# Altium PCB FIT_TDC_ADC.PcbDoc (part 4 of 10) (continued)
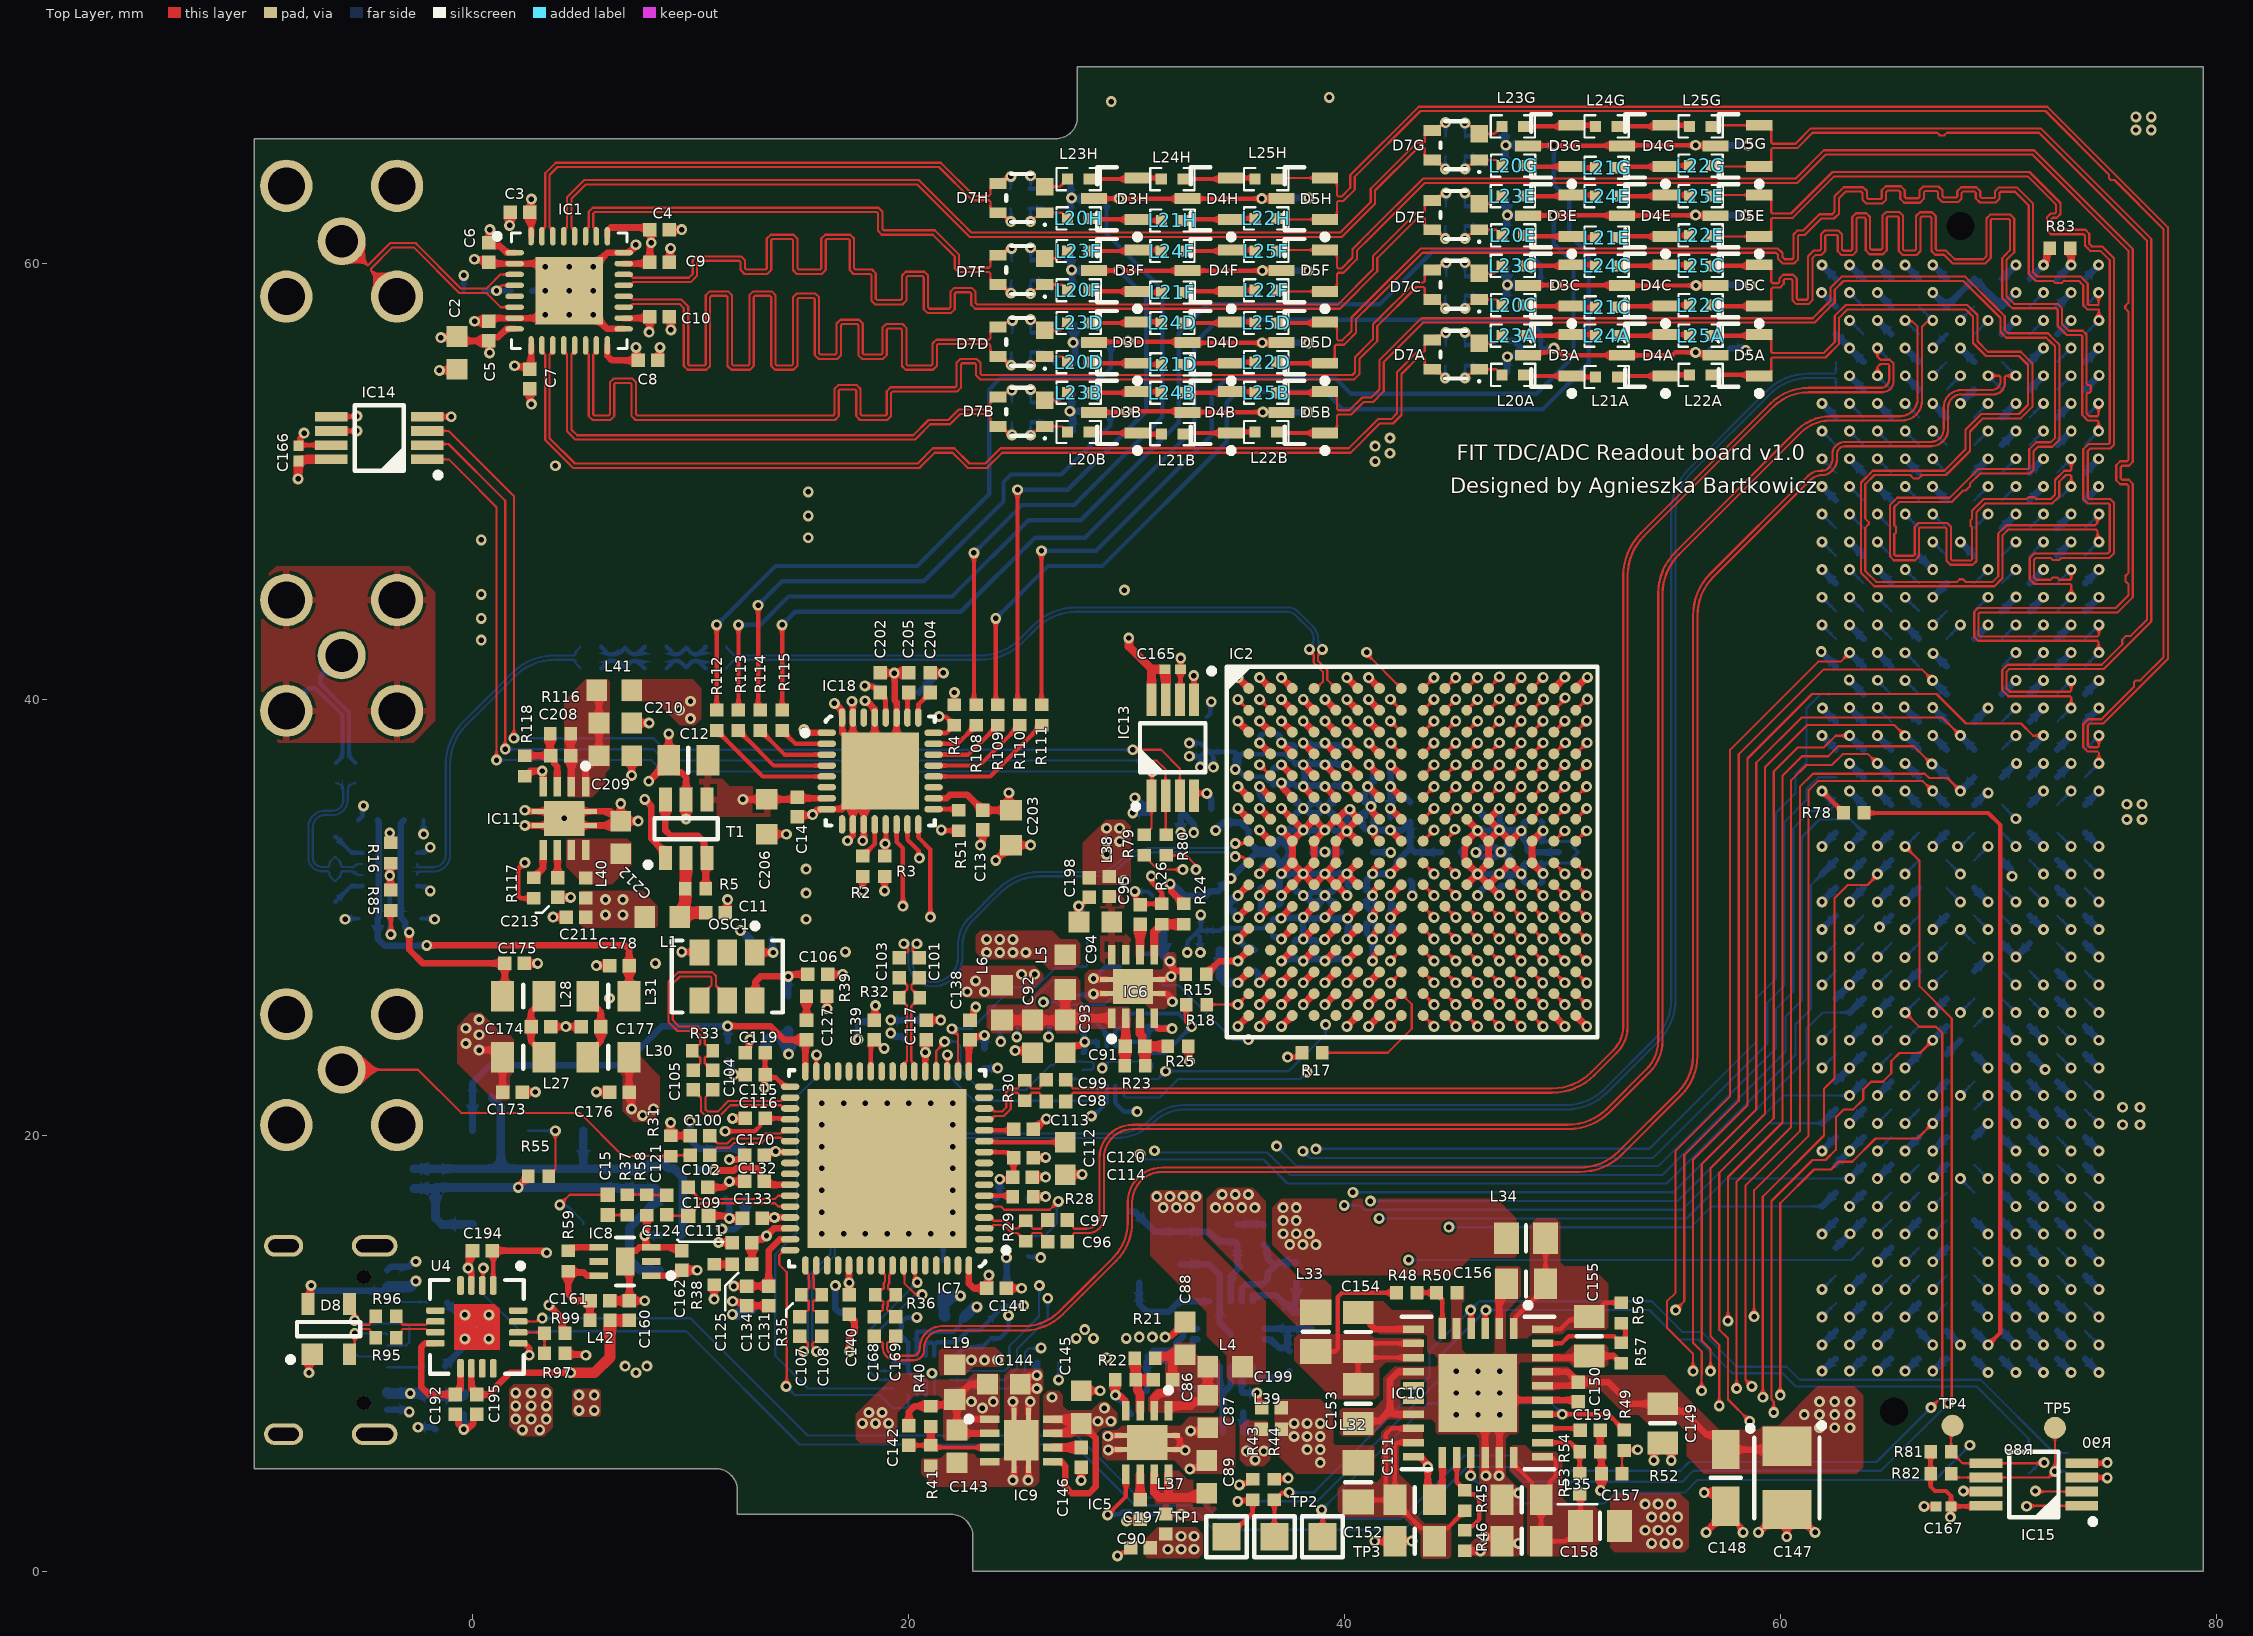
[diagram p0: Top Layer view]
## Nets (pads, with @x,y where several pads share a name; then routed paths per layer and width w, separated by ;. In a path a pad name is that pad's centre, name@x,y a point inside that pad or via, vN(x,y) a via of type N, cw(c..) or ccw(c..) an arc to the next point about the centre after c; other vN are vias at no path point) (continued)
  Bottom Layer w0.1: v1(64.44,28.159) J4.h25@65.075,28.794
DB_D9_N: IC2.N12 J4.g25 | length 41.8
  Top Layer w0.1: IC2.N12@46.604,28.485 47.104,27.985 v1(47.108,27.985)
  SIGNAL2 w0.1: v1(47.108,27.985) 47.072,28.021 46.774,28.021 46.704,28.091 46.704,28.326 46.763,28.385 52.338,28.385 52.397,28.327 52.397,24.822 52.573,24.646 53.246,24.646 53.422,24.822 53.422,26.388 53.48,26.447 54.108,26.447 54.166,26.388 54.166,23.769 54.342,23.593 54.99,23.593 55.166,23.769 55.166,26.403 55.225,26.462 55.707,26.462 55.766,26.403 55.766,23.766 55.941,23.59 56.575,23.59 56.692,23.708 56.75,23.766 56.75,28.456 56.811,28.517 57.206,28.517 57.265,28.458 57.265,28.129 57.44,27.953 58.037,27.953 58.212,28.129 58.212,28.476 58.271,28.534 58.91,28.534 58.968,28.476 58.968,28.155 59.144,27.98 59.805,27.98 59.981,28.155 59.981,28.493 60.04,28.552 60.875,28.552 61.017,28.694 65.546,28.694 65.71,28.53 65.71,28.158 v1(65.703,28.151)
  Bottom Layer w0.1: v1(65.703,28.151) J4.g25@66.345,28.794
DB_D9_P: IC2.N11 J4.g24 | length 42.1
  Top Layer w0.1: IC2.N11@45.604,28.485 v1(46.104,27.985)
  SIGNAL2 w0.1: v1(46.104,27.985) 46.139,28.021 46.434,28.021 46.504,28.091 46.504,28.409 46.68,28.585 52.421,28.585 52.597,28.41 52.597,24.904 52.656,24.846 53.163,24.846 53.222,24.904 53.222,26.471 53.397,26.647 54.191,26.647 54.366,26.471 54.366,23.851 54.425,23.793 54.907,23.793 54.966,23.851 54.966,26.486 55.142,26.662 55.79,26.662 55.966,26.486 55.966,23.849 56.024,23.79 56.492,23.79 56.55,23.849 56.55,28.539 56.729,28.717 57.289,28.717 57.465,28.541 57.465,28.212 57.523,28.153 57.954,28.153 58.012,28.212 58.012,28.559 58.188,28.734 58.993,28.734 59.168,28.559 59.168,28.238 59.227,28.18 59.723,28.18 59.781,28.238 59.781,28.576 59.957,28.752 60.792,28.752 60.935,28.894 65.546,28.894 65.71,29.058 v1(65.71,29.429)
  Bottom Layer w0.1: v1(65.71,29.429) J4.g24@66.345,30.064
DB_D10_N: IC2.M12 J4.d27 | length 42.2
  Top Layer w0.1: IC2.M12@46.604,29.485 v1(47.104,28.985)
  SIGNAL2 w0.1: v1(47.104,28.985) 47.068,29.021 46.774,29.021 46.704,29.091 46.704,29.322 46.767,29.385 53.107,29.385 53.22,29.272 53.22,27.434 53.396,27.259 54.122,27.259 54.298,27.434 54.298,29.513 54.356,29.572 54.923,29.572 54.982,29.513 54.982,27.45 55.157,27.274 55.832,27.274 56.008,27.45 56.008,29.657 56.066,29.716 56.96,29.716 57.019,29.657 57.019,29.445 57.195,29.269 57.936,29.269 58.111,29.445 58.111,29.791 58.17,29.85 58.972,29.85 59.03,29.791 59.03,29.471 59.206,29.295 60.709,29.295 60.884,29.471 60.884,29.906 60.943,29.964 66.12,29.964 66.211,29.873 66.211,27.595 66.437,27.369 67.438,27.369 67.52,27.287 67.52,26.386 67.706,26.201 68.444,26.201 68.62,26.376 68.62,27.046 68.678,27.105 69.284,27.105 69.343,27.046 69.343,26.345 69.518,26.169 70.72,26.169 70.79,26.099 v1(70.79,25.619)
  Bottom Layer w0.1: J4.d27@70.155,26.254 v1(70.79,25.619)
DB_D10_P: IC2.M11 J4.d26 | length 42.5
  Top Layer w0.1: IC2.M11@45.604,29.485 v1(46.104,28.985)
  SIGNAL2 w0.1: v1(46.104,28.985) 46.139,29.021 46.434,29.021 46.504,29.091 46.504,29.405 46.684,29.585 53.19,29.585 53.42,29.355 53.42,27.517 53.478,27.459 54.039,27.459 54.098,27.517 54.098,29.596 54.273,29.772 55.006,29.772 55.182,29.596 55.182,27.532 55.24,27.474 55.749,27.474 55.808,27.532 55.808,29.74 55.983,29.916 57.043,29.916 57.219,29.74 57.219,29.528 57.278,29.469 57.853,29.469 57.911,29.528 57.911,29.874 58.087,30.05 59.055,30.05 59.23,29.874 59.23,29.554 59.289,29.495 60.626,29.495 60.684,29.554 60.684,29.989 60.86,30.164 66.203,30.164 66.411,29.956 66.411,27.678 66.52,27.569 67.521,27.569 67.72,27.37 67.72,26.469 67.789,26.401 68.361,26.401 68.42,26.459 68.42,27.129 68.596,27.305 69.367,27.305 69.542,27.129 69.542,26.428 69.601,26.369 70.72,26.369 70.79,26.439 v1(70.79,26.889)
  Bottom Layer w0.1: J4.d26@70.155,27.524 v1(70.79,26.889)
DB_D11_N: IC2.L12 J4.d24 | length 40.4
  Top Layer w0.1: IC2.L12@46.604,30.485 v1(47.104,29.985)
  SIGNAL2 w0.1: v1(47.104,29.985) 46.762,29.985 46.704,30.044 46.704,30.332 46.757,30.385 48.037,30.385 48.523,30.385 48.704,30.566 48.704,31.315 48.778,31.389 49.445,31.389 49.504,31.331 49.504,30.608 49.727,30.385 50.528,30.385 50.645,30.502 50.704,30.561 50.704,31.328 50.762,31.386 50.845,31.386 50.855,31.376 51.352,31.376 51.384,31.408 51.661,31.408 51.72,31.349 51.72,30.487 51.896,30.312 52.636,30.312 52.812,30.487 52.812,31.414 52.87,31.473 53.425,31.473 53.483,31.414 53.483,30.513 53.659,30.337 54.372,30.337 54.52,30.486 60.548,30.486 60.606,30.544 60.669,30.607 61.296,31.234 66.107,31.234 67.099,30.242 67.552,30.242 67.61,30.184 67.61,28.136 67.786,27.96 68.844,27.96 69.02,28.136 69.02,31.53 69.078,31.588 69.961,31.588 70.02,31.53 70.02,30.204 70.254,29.969 70.72,29.969 70.79,29.899 v1@70.79,29.475 ; v1@70.744,29.475 v1(70.79,29.429)
  Bottom Layer w0.1: J4.d24@70.155,30.064 v1(70.79,29.429)
DB_D11_P: IC2.L11 J4.d23 | length 40.7
  Top Layer w0.1: IC2.L11@45.604,30.485 v1(46.104,29.985)
  SIGNAL2 w0.1: v1(46.104,29.985) 46.445,29.985 46.504,30.044 46.504,30.415 46.675,30.585 48.12,30.585 48.44,30.585 48.504,30.649 48.504,31.398 48.696,31.589 49.528,31.589 49.704,31.414 49.704,30.691 49.809,30.585 50.445,30.585 50.504,30.644 50.504,31.411 50.68,31.586 50.928,31.586 50.938,31.576 51.27,31.576 51.301,31.608 51.744,31.608 51.92,31.432 51.92,30.57 51.978,30.512 52.553,30.512 52.612,30.57 52.612,31.497 52.787,31.673 53.507,31.673 53.683,31.497 53.683,30.596 53.742,30.537 54.289,30.537 54.437,30.686 60.465,30.686 61.213,31.434 66.19,31.434 67.182,30.442 67.635,30.442 67.81,30.266 67.81,28.218 67.869,28.16 68.761,28.16 68.82,28.218 68.82,31.613 68.996,31.788 70.044,31.788 70.22,31.613 70.22,30.286 70.337,30.169 70.72,30.169 70.79,30.239 v1@70.79,30.654 ; v1@70.744,30.654 v1(70.79,30.699)
  Bottom Layer w0.1: J4.d23@70.155,31.334 v1(70.79,30.699)
DB_STR_N: IC2.J10 J4.c23 | length 42
  Top Layer w0.1: IC2.J10@44.604,32.485 45.058,32.031 45.058,31.989 v1(45.081,31.966)
  SIGNAL2 w0.1: v1(45.081,31.966) 45.026,32.021 44.774,32.021 44.704,32.091 44.704,32.284 44.805,32.385 45.752,32.385 45.771,32.366 46.928,32.366 46.947,32.385 47.352,32.385 47.356,32.389 51.598,32.389 51.717,32.27 51.834,32.153 52.606,32.153 52.723,32.27 52.86,32.407 53.292,32.407 53.375,32.324 53.487,32.212 53.546,32.153 53.899,32.153 54.143,32.398 54.421,32.398 54.479,32.339 54.479,31.353 54.655,31.178 55.352,31.178 55.527,31.353 55.527,32.355 55.586,32.414 56.107,32.414 56.165,32.355 56.165,31.315 56.341,31.139 57.058,31.139 57.233,31.315 57.233,32.355 57.292,32.414 57.782,32.414 57.841,32.355 57.841,31.304 58.017,31.128 58.758,31.128 58.934,31.304 58.934,32.355 58.993,32.414 59.491,32.414 59.55,32.355 59.55,31.562 59.726,31.386 60.338,31.386 60.514,31.562 60.514,32.532 60.572,32.591 66.536,32.591 66.595,32.532 66.595,31.818 66.77,31.642 67.351,31.642 67.526,31.818 67.526,32.611 67.585,32.669 67.841,32.669 68.05,32.461 71.128,32.461 71.22,32.369 71.22,31.469 71.454,31.234 71.896,31.234 72.06,31.07 v1(72.06,30.699)
  Bottom Layer w0.1: J4.c23@71.425,31.334 v1(72.06,30.699)
DB_STR_P: IC2.J9 J4.c22 | length 42.4
  Top Layer w0.1: IC2.J9@43.604,32.485 44.104,31.985 v1(44.104,31.978)
  SIGNAL2 w0.1: v1(44.104,31.978) 44.147,32.021 44.434,32.021 44.504,32.091 44.504,32.367 44.722,32.585 45.835,32.585 45.854,32.566 46.845,32.566 46.864,32.585 47.27,32.585 47.274,32.589 51.681,32.589 51.917,32.353 52.523,32.353 52.777,32.607 53.375,32.607 53.629,32.353 53.816,32.353 54.061,32.598 54.504,32.598 54.679,32.422 54.679,31.436 54.738,31.378 55.269,31.378 55.327,31.436 55.327,32.438 55.503,32.614 56.189,32.614 56.365,32.438 56.365,31.398 56.424,31.339 56.975,31.339 57.033,31.398 57.033,32.438 57.209,32.614 57.865,32.614 58.041,32.438 58.041,31.386 58.1,31.328 58.675,31.328 58.734,31.386 58.734,32.438 58.91,32.614 59.574,32.614 59.75,32.438 59.75,31.645 59.808,31.586 60.255,31.586 60.314,31.645 60.314,32.615 60.489,32.791 66.619,32.791 66.795,32.615 66.795,31.901 66.853,31.842 67.268,31.842 67.326,31.901 67.326,32.694 67.502,32.869 67.924,32.869 68.133,32.661 71.211,32.661 71.42,32.452 71.42,31.551 71.537,31.434 71.896,31.434 72.06,31.598 v1(72.06,31.969)
  Bottom Layer w0.1: J4.c22@71.425,32.604 v1(72.06,31.969)
DC_CLK_N: IC2.G16 J4.e3 | length 46.1
  Top Layer w0.1: IC2.G16@50.604,34.485 50.607,34.485 51.101,34.979 v1(51.104,34.979)
  SIGNAL5 w0.1: v1(51.104,34.979) 50.762,34.979 50.704,35.037 50.704,35.145 50.945,35.385 51.981,35.385 52.127,35.239 60.875,35.239 61.021,35.092 69.768,35.092 71.52,36.843 71.52,53.678 70.956,54.241 70.812,54.241 70.228,54.826 70.228,55.625 68.985,56.868 68.985,57.311 69.043,57.369 v1(69.52,57.369)
  Bottom Layer w0.1: J4.e3@68.885,56.734 v1(69.52,57.369)
DC_CLK_P: IC2.G15 J4.e2 | length 46.1
  Top Layer w0.1: IC2.G15@49.604,34.485 49.607,34.485 50.101,34.979 v1(50.104,34.979)
  SIGNAL5 w0.1: v1(50.104,34.979) 50.445,34.979 50.504,35.037 50.504,35.227 50.862,35.585 52.064,35.585 52.21,35.439 60.957,35.439 61.104,35.292 69.685,35.292 71.32,36.926 71.32,53.595 70.873,54.041 70.729,54.041 70.028,54.743 70.028,55.542 68.785,56.785 68.785,57.311 68.726,57.369 v1(68.25,57.369)
  Bottom Layer w0.1: v1(68.25,57.369) J4.e2@68.885,58.004
DC_D0_N: IC2.A14 J4.k14 | length 45.4
  Top Layer w0.1: IC2.A14@48.604,40.485 49.104,40.985 v1(49.104,40.997)
  SIGNAL5 w0.1: v1(49.104,40.997) 49.045,41.055 48.78,41.055 48.722,41.114 48.722,41.794 48.475,42.04 48.475,42.395 48.715,42.635 48.715,43.157 48.461,43.411 48.461,43.598 48.715,43.852 48.715,44.297 48.467,44.545 48.467,44.816 48.706,45.055 48.706,45.676 48.648,45.734 48.55,45.832 48.467,45.915 48.467,46.192 48.721,46.446 48.721,46.993 48.765,47.037 49.362,47.037 49.427,46.971 49.427,46.114 49.667,45.874 49.667,45.512 49.538,45.383 49.421,45.266 49.421,44.412 49.596,44.237 50.344,44.237 50.52,44.412 50.52,45.104 50.649,45.233 50.766,45.35 50.766,46.038 50.649,46.155 50.526,46.277 50.526,47.047 50.578,47.099 51.161,47.099 51.226,47.033 51.226,46.177 51.466,45.938 51.466,45.386 51.337,45.257 51.22,45.139 51.22,44.373 51.396,44.198 52.1,44.198 52.276,44.373 52.276,44.93 52.405,45.06 52.522,45.177 52.522,46.098 52.405,46.215 52.271,46.349 52.271,47.185 52.33,47.244 52.868,47.244 52.926,47.185 52.926,46.352 53.102,46.176 53.832,46.176 54.007,46.352 54.007,47.193 54.066,47.252 54.579,47.252 54.637,47.193 54.637,46.33 54.813,46.155 55.449,46.155 55.625,46.33 55.625,47.193 55.684,47.252 56.234,47.252 56.293,47.193 56.293,46.338 56.469,46.162 57.16,46.162 57.335,46.338 57.335,47.185 57.394,47.244 57.922,47.244 57.98,47.185 57.98,46.397 58.206,46.171 58.324,46.171 58.384,46.111 58.384,43.592 58.56,43.417 59.258,43.417 59.434,43.592 59.434,44.17 59.493,44.229 60.005,44.229 60.064,44.17 60.064,43.528 60.24,43.352 60.969,43.352 61.145,43.528 61.145,43.911 61.203,43.969 61.82,43.969 61.9,43.889 v1(61.9,43.399)
  Bottom Layer w0.1: v1(61.9,43.399) J4.k14@62.535,42.764
DC_D0_P: IC2.A13 J4.k13 | length 45.7
  Top Layer w0.1: IC2.A13@47.604,40.485 48.104,40.985 v1(48.104,40.997)
  SIGNAL5 w0.1: v1(48.104,40.997) 48.14,41.033 48.433,41.033 48.522,41.121 48.522,41.711 48.393,41.84 48.275,41.957 48.275,42.478 48.334,42.536 48.432,42.634 48.515,42.717 48.515,43.074 48.261,43.328 48.261,43.681 48.32,43.739 48.432,43.852 48.515,43.935 48.515,44.214 48.384,44.345 48.267,44.462 48.267,44.899 48.384,45.016 48.506,45.138 48.506,45.593 48.267,45.833 48.267,46.275 48.384,46.392 48.521,46.529 48.521,47.076 ; 48.522,47.076 48.682,47.237 49.445,47.237 49.627,47.054 49.627,46.197 49.867,45.957 49.867,45.429 49.621,45.183 49.621,44.495 49.679,44.437 50.261,44.437 50.32,44.495 50.32,45.187 50.566,45.433 50.566,45.955 50.326,46.194 50.326,47.13 50.496,47.299 51.244,47.299 51.426,47.116 51.426,46.26 51.666,46.021 51.666,45.303 51.42,45.057 51.42,44.456 51.478,44.398 52.017,44.398 52.076,44.456 52.076,45.013 52.322,45.26 52.322,46.015 52.071,46.266 52.071,47.268 52.247,47.444 52.951,47.444 53.126,47.268 53.126,46.435 53.185,46.376 53.749,46.376 53.807,46.435 53.807,47.276 53.983,47.452 54.661,47.452 54.837,47.276 54.837,46.413 54.896,46.355 55.367,46.355 55.425,46.413 55.425,47.276 55.601,47.452 56.317,47.452 56.493,47.276 56.493,46.421 56.551,46.362 57.077,46.362 57.135,46.421 57.135,47.268 57.311,47.444 58.005,47.444 58.18,47.268 58.18,46.48 58.289,46.371 58.407,46.371 58.584,46.194 58.584,43.675 58.642,43.617 59.175,43.617 59.234,43.675 59.234,44.253 59.41,44.429 60.088,44.429 60.264,44.253 60.264,43.61 60.323,43.552 60.886,43.552 60.945,43.61 60.945,43.994 61.121,44.169 61.82,44.169 61.9,44.249 v1(61.9,44.669)
  Bottom Layer w0.1: v1(61.9,44.669) J4.k13@62.535,44.034
DC_D1_N: IC2.B14 J4.f8 | length 45.6
  Top Layer w0.1: IC2.B14@48.604,39.485 49.115,39.997 v1(49.118,39.997)
  SIGNAL5 w0.1: v1(49.118,39.997) 48.762,39.997 48.704,40.055 48.704,40.357 48.465,40.597 47.792,40.597 47.704,40.685 47.704,47.75 47.881,47.927 58.687,47.927 58.746,47.868 58.746,46.914 59.32,46.339 59.32,45.325 59.575,45.069 62.138,45.069 62.419,44.788 62.419,44.292 62.675,44.036 63.527,44.036 63.559,44.067 63.896,44.405 63.896,53.967 64.059,54.13 66.039,54.13 66.212,53.957 66.212,51.803 66.453,51.562 66.883,51.562 66.969,51.477 66.969,51.03 v1(66.98,51.019)
  Bottom Layer w0.1: v1(66.98,51.019) J4.f8@67.615,50.384
DC_D1_P: IC2.B13 J4.f7 | length 45.9
  Top Layer w0.1: IC2.B13@47.604,39.485 48.115,39.997 v1(48.118,39.997)
  SIGNAL5 w0.1: v1(48.118,39.997) 48.445,39.997 48.504,40.055 48.504,40.275 48.382,40.397 47.71,40.397 47.578,40.528 47.504,40.602 47.504,47.833 47.798,48.127 58.77,48.127 58.946,47.951 58.946,46.996 59.52,46.422 59.52,45.408 59.658,45.269 62.221,45.269 62.619,44.871 62.619,44.375 62.758,44.236 63.444,44.236 63.476,44.267 63.696,44.488 63.696,54.05 63.976,54.33 66.122,54.33 66.412,54.04 66.412,51.886 66.536,51.762 66.887,51.762 66.98,51.855 v1(66.98,52.289)
  Bottom Layer w0.1: v1(66.98,52.289) J4.f7@67.615,51.654
DC_D2_N: IC2.C14 J4.j13 | length 45.6
  Top Layer w0.1: IC2.C14@48.604,38.485 49.104,38.985 v1(49.104,38.997)
  SIGNAL5 w0.1: v1(49.104,38.997) 48.776,38.997 48.704,39.069 48.704,39.394 48.501,39.597 46.892,39.597 46.704,39.785 46.704,41.85 46.458,42.097 46.458,42.452 46.697,42.691 46.697,43.213 46.443,43.467 46.443,43.655 46.697,43.909 46.697,44.353 46.449,44.602 46.449,44.873 46.688,45.112 46.688,45.733 46.63,45.791 46.532,45.889 46.449,45.972 46.449,46.248 46.703,46.502 46.703,46.935 46.532,47.106 46.449,47.189 46.449,47.569 46.697,47.817 46.697,49.027 47.364,49.694 47.897,49.694 47.956,49.635 47.956,48.952 48.132,48.776 48.861,48.776 49.037,48.952 49.037,49.66 49.096,49.718 49.608,49.718 49.667,49.66 49.667,48.93 49.843,48.755 50.479,48.755 50.655,48.93 50.655,49.684 50.713,49.742 51.264,49.742 51.322,49.684 51.322,48.938 51.498,48.762 52.189,48.762 52.365,48.938 52.365,49.664 52.424,49.723 52.957,49.723 53.016,49.664 53.016,48.981 53.191,48.806 53.921,48.806 54.097,48.981 54.097,49.689 54.155,49.747 54.668,49.747 54.726,49.689 54.726,48.96 54.902,48.784 55.539,48.784 55.714,48.96 55.714,49.713 55.773,49.772 56.324,49.772 56.382,49.713 56.382,48.967 56.558,48.792 57.249,48.792 57.425,48.967 57.425,49.694 57.483,49.752 59.544,49.752 59.661,49.635 59.661,47.345 59.72,47.286 60.478,46.528 60.537,46.469 62.12,46.469 62.364,46.469 62.423,46.411 62.423,45.572 62.478,45.516 62.691,45.304 62.808,45.187 63.111,45.187 63.17,45.128 v1(63.17,44.669)
  Bottom Layer w0.1: v1(63.17,44.669) J4.j13@63.805,44.034
DC_D2_P: IC2.C13 J4.j12 | length 46
  Top Layer w0.1: IC2.C13@47.604,38.485 48.104,38.985 v1(48.104,38.997)
  SIGNAL5 w0.1: v1(48.104,38.997) 48.431,38.997 48.504,39.069 48.504,39.311 48.418,39.397 46.81,39.397 46.578,39.628 46.504,39.702 46.504,41.768 46.375,41.897 46.258,42.014 46.258,42.535 46.316,42.593 46.414,42.691 46.497,42.774 46.497,43.13 46.243,43.384 46.243,43.737 46.302,43.796 46.414,43.908 46.497,43.991 46.497,44.271 46.366,44.402 46.249,44.519 46.249,44.955 46.366,45.073 46.488,45.195 46.488,45.65 46.249,45.889 46.249,46.331 46.366,46.448 46.503,46.585 46.503,46.853 46.249,47.107 46.249,47.652 46.366,47.769 46.497,47.9 46.497,49.11 47.281,49.894 47.98,49.894 48.156,49.718 48.156,49.035 48.215,48.976 48.778,48.976 48.837,49.035 48.837,49.742 49.013,49.918 49.691,49.918 49.867,49.742 49.867,49.013 49.925,48.955 50.396,48.955 50.455,49.013 50.455,49.767 50.631,49.942 51.347,49.942 51.522,49.767 51.522,49.021 51.581,48.962 52.106,48.962 52.165,49.021 52.165,49.747 52.341,49.923 53.04,49.923 53.216,49.747 53.216,49.064 53.274,49.006 53.838,49.006 53.897,49.064 53.897,49.772 54.072,49.947 54.751,49.947 54.926,49.772 54.926,49.042 54.985,48.984 55.456,48.984 55.514,49.042 55.514,49.796 55.69,49.972 56.406,49.972 56.582,49.796 56.582,49.05 56.641,48.991 57.166,48.991 57.225,49.05 57.225,49.776 57.4,49.952 59.627,49.952 59.861,49.718 59.861,47.428 60.62,46.669 62.203,46.669 62.447,46.669 62.623,46.494 62.623,45.655 62.678,45.599 62.891,45.387 63.111,45.387 63.17,45.445 v1(63.17,45.939)
  Bottom Layer w0.1: v1(63.17,45.939) J4.j12@63.805,45.304
DC_D3_N: IC2.D14 J4.k11 | length 45.2
  Top Layer w0.1: IC2.D14@48.604,37.485 49.104,37.985 v1(49.104,37.997)
  SIGNAL5 w0.1: v1(49.104,37.997) 48.776,37.997 48.704,38.069 48.704,38.394 48.501,38.597 46.281,38.597 46.27,38.585 45.938,38.585 45.702,38.822 45.702,41.848 45.456,42.095 45.456,42.45 45.695,42.689 45.695,43.211 45.441,43.465 45.441,43.653 45.695,43.907 45.695,44.351 45.447,44.6 45.447,44.87 45.686,45.11 45.686,45.73 45.628,45.789 45.53,45.887 45.447,45.97 45.447,46.246 45.701,46.5 45.701,46.933 45.53,47.104 45.447,47.187 45.447,47.567 45.695,47.815 45.695,49.323 47.541,51.169 48.318,51.169 48.376,51.111 48.376,50.728 48.552,50.552 49.282,50.552 49.457,50.728 49.457,51.135 49.516,51.194 50.029,51.194 50.087,51.135 50.087,50.706 50.263,50.53 50.899,50.53 51.075,50.706 51.075,51.159 51.134,51.218 51.684,51.218 51.743,51.159 51.743,50.714 51.919,50.538 52.61,50.538 52.785,50.714 52.785,51.14 52.844,51.198 53.377,51.198 53.436,51.14 53.436,50.757 53.612,50.581 54.341,50.581 54.517,50.757 54.517,51.164 54.575,51.223 55.088,51.223 55.147,51.164 55.147,50.735 55.323,50.559 55.959,50.559 56.135,50.735 56.135,51.189 56.193,51.247 56.744,51.247 56.802,51.189 56.802,50.743 56.978,50.567 57.669,50.567 57.845,50.743 57.845,51.169 57.903,51.228 58.454,51.228 58.513,51.169 58.513,50.723 58.688,50.548 60.181,50.548 60.445,50.283 60.445,49.659 60.621,49.484 61.141,49.484 61.199,49.425 61.199,48.875 61.141,48.816 60.578,48.816 60.402,48.64 60.402,47.942 60.578,47.767 61.841,47.767 61.9,47.708 v1(61.9,47.209)
  Bottom Layer w0.1: v1(61.9,47.209) J4.k11@62.535,46.574
DC_D3_P: IC2.D13 J4.k10 | length 45.5
  Top Layer w0.1: IC2.D13@47.604,37.485 48.104,37.985 v1(48.104,37.997)
  SIGNAL5 w0.1: v1(48.104,37.997) 48.431,37.997 48.504,38.069 48.504,38.311 48.418,38.397 46.364,38.397 46.352,38.385 45.855,38.385 45.562,38.678 45.502,38.739 45.502,41.765 45.373,41.895 45.256,42.012 45.256,42.532 45.314,42.591 45.412,42.689 45.495,42.772 45.495,43.128 45.241,43.382 45.241,43.735 45.3,43.794 45.412,43.906 45.495,43.989 45.495,44.268 45.364,44.4 45.247,44.517 45.247,44.953 45.364,45.07 45.486,45.193 45.486,45.648 45.247,45.887 45.247,46.329 45.364,46.446 45.501,46.583 45.501,46.85 45.247,47.104 45.247,47.65 45.364,47.767 45.495,47.898 45.495,49.406 47.458,51.369 48.401,51.369 48.576,51.194 48.576,50.81 48.635,50.752 49.199,50.752 49.257,50.81 49.257,51.218 49.433,51.394 50.111,51.394 50.287,51.218 50.287,50.789 50.346,50.73 50.817,50.73 50.875,50.789 50.875,51.242 51.051,51.418 51.767,51.418 51.943,51.242 51.943,50.796 52.001,50.738 52.527,50.738 52.585,50.796 52.585,51.223 52.761,51.398 53.46,51.398 53.636,51.223 53.636,50.84 53.695,50.781 54.258,50.781 54.317,50.84 54.317,51.247 54.493,51.423 55.171,51.423 55.347,51.247 55.347,50.818 55.405,50.759 55.876,50.759 55.935,50.818 55.935,51.271 56.111,51.447 56.827,51.447 57.002,51.271 57.002,50.826 57.061,50.767 57.586,50.767 57.645,50.826 57.645,51.252 57.821,51.428 58.537,51.428 58.713,51.252 58.713,50.806 58.771,50.748 60.264,50.748 60.645,50.366 60.645,49.742 60.704,49.684 61.224,49.684 61.399,49.508 61.399,48.792 61.224,48.616 60.66,48.616 60.602,48.557 60.602,48.025 60.66,47.967 61.841,47.967 61.9,48.025 v1(61.9,48.479)
  Bottom Layer w0.1: v1(61.9,48.479) J4.k10@62.535,47.844
DC_D4_N: IC2.E14 J4.j10 | length 45.2
  Top Layer w0.1: IC2.E14@48.604,36.485 49.104,36.985 v1(49.104,36.997)
  SIGNAL5 w0.1: v1(49.104,36.997) 48.776,36.997 48.704,37.069 48.704,37.394 48.544,37.554 48.512,37.585 44.904,37.585 44.702,37.787 44.702,41.848 44.456,42.095 44.456,42.45 44.695,42.689 44.695,43.211 44.441,43.465 44.441,43.653 44.695,43.907 44.695,44.351 44.447,44.6 44.447,44.87 44.686,45.11 44.686,45.73 44.628,45.789 44.53,45.887 44.447,45.97 44.447,46.246 44.701,46.5 44.701,46.933 44.53,47.104 44.447,47.187 44.447,47.567 44.695,47.815 44.695,49.469 47.396,52.169 47.52,52.169 48.353,52.169 48.412,52.111 48.412,51.93 48.572,51.769 49.302,51.769 49.493,51.96 49.493,52.135 49.551,52.194 50.085,52.194 50.143,52.135 50.143,51.954 50.304,51.794 51.033,51.794 51.224,51.985 51.224,52.159 51.283,52.218 51.816,52.218 51.875,52.159 51.875,51.978 52.035,51.818 52.765,51.818 52.956,52.009 52.956,52.184 53.014,52.242 53.548,52.242 53.607,52.184 53.607,52.003 53.767,51.842 54.496,51.842 54.687,52.033 54.687,52.208 54.746,52.267 55.28,52.267 55.338,52.208 55.338,52.027 55.498,51.867 56.228,51.867 56.419,52.058 56.419,52.232 56.478,52.291 57.011,52.291 57.07,52.232 57.07,52.051 57.23,51.891 57.959,51.891 58.151,52.082 58.151,52.196 58.209,52.255 59.061,52.255 59.12,52.196 59.12,51.686 59.296,51.511 59.837,51.511 60.113,51.787 60.424,51.787 60.482,51.728 60.482,51.324 60.978,50.828 61.537,50.269 62.332,50.269 62.42,50.181 62.42,49.245 62.478,49.186 62.596,49.069 63.072,49.069 63.17,48.971 v1(63.17,48.479)
  Bottom Layer w0.1: v1(63.17,48.479) J4.j10@63.805,47.844
DC_D4_P: IC2.E13 J4.j9 | length 45.5
  Top Layer w0.1: IC2.E13@47.604,36.485 48.115,36.997 v1(48.12,36.997)
  SIGNAL5 w0.1: v1(48.12,36.997) 48.431,36.997 48.504,37.069 48.504,37.311 48.461,37.354 48.429,37.385 44.821,37.385 44.578,37.628 44.502,37.705 44.502,41.765 44.373,41.895 44.256,42.012 44.256,42.532 44.314,42.591 44.412,42.689 44.495,42.772 44.495,43.128 44.241,43.382 44.241,43.735 44.3,43.794 44.412,43.906 44.495,43.989 44.495,44.268 44.364,44.4 44.247,44.517 44.247,44.953 44.364,45.07 44.486,45.193 44.486,45.648 44.247,45.887 44.247,46.329 44.364,46.446 44.501,46.583 44.501,46.85 44.247,47.104 44.247,47.65 44.364,47.767 44.495,47.898 44.495,49.551 47.313,52.369 47.603,52.369 48.436,52.369 48.612,52.194 48.612,52.013 48.655,51.969 49.219,51.969 49.293,52.043 49.293,52.218 49.469,52.394 50.168,52.394 50.343,52.218 50.343,52.037 50.387,51.994 50.95,51.994 51.024,52.068 51.024,52.242 51.2,52.418 51.899,52.418 52.075,52.242 52.075,52.061 52.118,52.018 52.682,52.018 52.756,52.092 52.756,52.267 52.932,52.442 53.631,52.442 53.807,52.267 53.807,52.085 53.85,52.042 54.413,52.042 54.487,52.116 54.487,52.291 54.663,52.467 55.362,52.467 55.538,52.291 55.538,52.11 55.581,52.067 56.145,52.067 56.219,52.141 56.219,52.315 56.395,52.491 57.094,52.491 57.27,52.315 57.27,52.134 57.313,52.091 57.877,52.091 57.951,52.165 57.951,52.279 58.126,52.455 59.144,52.455 59.32,52.279 59.32,51.769 59.378,51.711 59.754,51.711 60.03,51.987 60.507,51.987 60.682,51.811 60.682,51.407 61.12,50.969 61.32,50.769 61.62,50.469 62.415,50.469 62.62,50.264 62.62,49.328 62.678,49.269 63.091,49.269 63.15,49.328 63.15,49.729 v1(63.17,49.749)
  Bottom Layer w0.1: v1(63.17,49.749) J4.j9@63.805,49.114
DC_D5_N: IC2.F14 J4.k8 | length 45.6
  Top Layer w0.1: IC2.F14@48.604,35.485 v1(49.104,35.985)
  SIGNAL5 w0.1: v1(49.104,35.985) 48.776,35.985 48.704,36.058 48.704,36.382 48.501,36.585 43.92,36.585 43.62,36.885 43.62,49.616 47.273,53.269 48.053,53.269 48.112,53.211 48.112,53.082 48.288,52.906 49.017,52.906 49.193,53.082 49.193,53.233 49.251,53.292 49.785,53.292 49.843,53.233 49.843,53.086 50.019,52.911 50.749,52.911 50.924,53.086 50.924,53.259 50.983,53.318 51.516,53.318 51.575,53.259 51.575,53.078 51.735,52.918 52.465,52.918 52.656,53.109 52.656,53.284 52.714,53.342 53.248,53.342 53.307,53.284 53.307,53.091 53.482,52.916 54.17,52.916 54.387,53.133 54.387,53.281 54.446,53.34 54.98,53.34 55.038,53.281 55.038,53.102 55.214,52.926 55.888,52.926 56.119,53.158 56.119,53.281 56.178,53.34 56.711,53.34 56.77,53.281 56.77,53.095 56.887,52.978 56.945,52.919 57.675,52.919 57.851,53.095 57.851,53.271 57.909,53.329 58.443,53.329 58.501,53.271 58.501,53.084 58.618,52.967 58.677,52.909 59.372,52.909 59.582,53.119 59.582,53.254 59.641,53.313 60.174,53.313 60.233,53.254 60.233,53.106 60.409,52.93 60.717,52.93 61.12,52.527 61.12,51.851 61.402,51.569 61.82,51.569 61.9,51.489 v1(61.9,51.019)
  Bottom Layer w0.1: v1(61.9,51.019) J4.k8@62.535,50.384
DC_D5_P: IC2.F13 J4.k7 | length 45.9
  Top Layer w0.1: IC2.F13@47.604,35.485 v1(48.104,35.985)
  SIGNAL5 w0.1: 47.42,53.469 47.19,53.469 43.42,49.699 43.42,36.802 43.837,36.385 48.418,36.385 48.504,36.299 48.504,36.058 48.431,35.985 v1(48.104,35.985) ; 47.437,53.469 48.136,53.469 48.312,53.294 48.312,53.165 48.37,53.106 48.934,53.106 48.993,53.165 48.993,53.316 49.169,53.492 49.868,53.492 50.043,53.316 50.043,53.169 50.102,53.111 50.666,53.111 50.724,53.169 50.724,53.342 50.9,53.518 51.599,53.518 51.775,53.342 51.775,53.161 51.818,53.118 52.382,53.118 52.456,53.192 52.456,53.367 52.632,53.542 53.331,53.542 53.507,53.367 53.507,53.174 53.565,53.116 54.087,53.116 54.187,53.216 54.187,53.364 54.363,53.54 55.062,53.54 55.238,53.364 55.238,53.185 55.297,53.126 55.805,53.126 55.919,53.241 55.919,53.364 56.095,53.54 56.794,53.54 56.97,53.364 56.97,53.178 57.028,53.119 57.592,53.119 57.651,53.178 57.651,53.353 57.826,53.529 58.526,53.529 58.701,53.353 58.701,53.167 58.76,53.109 59.289,53.109 59.382,53.202 59.382,53.337 59.558,53.513 60.257,53.513 60.433,53.337 60.433,53.189 60.491,53.13 60.799,53.13 61.32,52.61 61.32,51.934 61.485,51.769 61.82,51.769 61.9,51.849 v1(61.9,52.289)
  Bottom Layer w0.1: v1(61.9,52.289) J4.k7@62.535,51.654
DC_D6_N: IC2.G14 J4.j7 | length 45.5
  Top Layer w0.1: IC2.G14@48.604,34.485 48.607,34.485 49.101,34.979 v1(49.104,34.979)
  SIGNAL5 w0.1: v1(49.104,34.979) 48.497,35.585 43.774,35.585 42.764,36.596 42.764,50.199 46.573,54.008 62.016,54.008 62.361,53.664 62.361,53.149 62.637,52.873 63.111,52.873 63.17,52.814 v1(63.17,52.289)
  Bottom Layer w0.1: v1(63.17,52.289) J4.j7@63.805,51.654
DC_D6_P: IC2.G13 J4.j6 | length 45.1
  Top Layer w0.1: IC2.G13@47.604,34.485 v1(48.104,34.985)
  SIGNAL5 w0.1: v1(48.104,34.985) 48.104,35.094 47.938,35.259 47.938,35.315 47.867,35.385 43.691,35.385 42.564,36.513 42.564,50.281 46.491,54.208 62.099,54.208 62.561,53.746 62.561,53.231 62.72,53.073 63.111,53.073 63.17,53.131 v1(63.17,53.559)
  Bottom Layer w0.1: v1(63.17,53.559) J4.j6@63.805,52.924